# KiCad board ABG-K7072.kicad_pcb (continued)
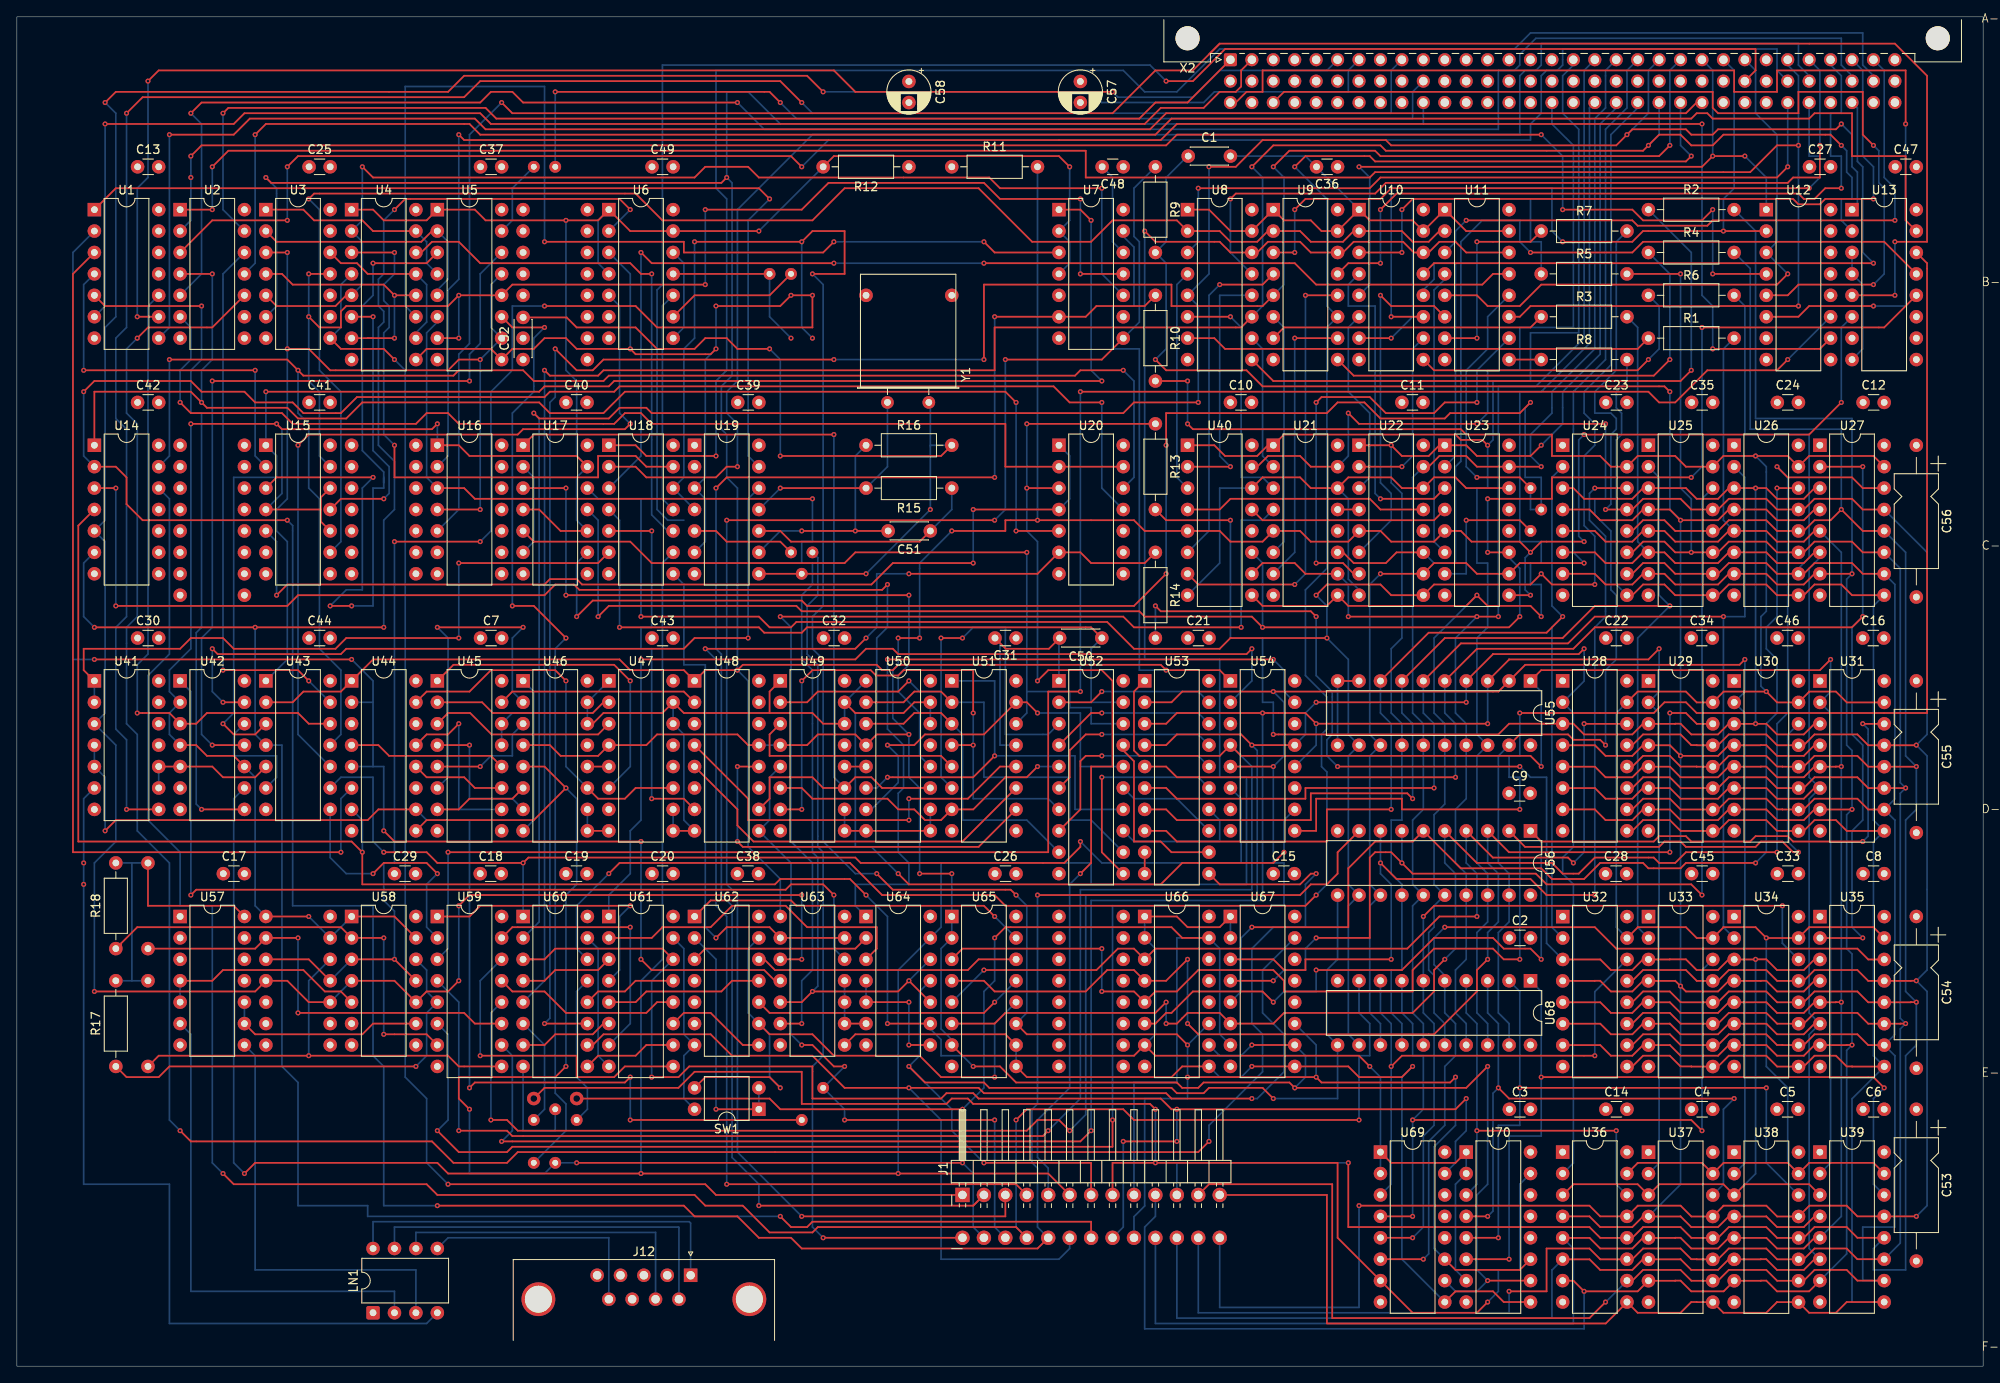
[diagram p0: board, top side]
## Routing (per net, layer and track width the routed paths; a pad name or vN(x,y) marks a point on that pad's centre or on a via; arc(x,y) is an arc through that point) (continued)
  Bottom w0.2: J1.a6 124.75,13.95 123.48,12.68 109.51,12.68 109.51,29.19 v1(105.71,33) ; v1(146.34,31.73) 146.98,31.73 150.16,34.91 150.16,39.35 147.62,41.89 147.62,46.97 U67.15
J1A7: length 298.7
  Top w0.2: J1.a7 127.29,17.12 94.28,17.12 93.64,16.49 91.73,16.49 v1(90.47,17.76) ; v1(9.19,87.61) v1(28.23,87.61) v1(43.47,87.61) ; v1(44.75,137.14) 46.02,138.41 71.41,138.41 v1(72.69,137.14)
  Bottom w0.2: v1(44.75,137.14) 43.47,135.87 43.47,129.52 42.84,128.88 42.84,125.71 43.47,125.08 43.47,123.8 42.84,123.17 42.84,109.2 44.75,107.3 44.75,101.58 43.47,100.31 v1(43.47,87.61) ; v1(9.19,87.61) 7.91,88.88 7.91,95.23 U14.6 ; v1(72.69,137.14) U6.2 ; v1(90.47,17.76) 41.57,17.76 41.57,19.03 33.31,19.03 33.31,33.63 31.41,35.54 31.41,73.64 U43.4 28.23,74.91 v1(28.23,87.61)
J1B1: length 179.3
  Top w0.2: J1.b1 82.84,20.3 81.58,21.57 v1(51.09,21.57) ; U3.8 38.39,120.63 43.47,120.63 v1(44.75,119.36)
  Bottom w0.2: v1(44.75,119.36) 46.02,118.09 46.02,34.27 48.55,31.73 48.55,24.11 v1(51.09,21.57) ; U3.8 38.39,123.17 38.39,128.25 U4.4
J1B2: length 188.9
  Top w0.2: 113.32,19.03 J1.b2 113.32,19.03 ; 113.32,19.03 v1(87.93,19.03) ; v1(82.84,104.12) 84.12,105.39 v1(115.87,105.39) ; R10.1 133.65,125.71 127.93,125.71 126.66,124.44 U7.6 v1(115.87,124.44)
  Bottom w0.2: v1(115.87,124.44) v1(115.87,105.39) ; v1(82.84,104.12) 82.84,85.07 83.48,84.44 83.48,55.86 84.75,54.59 84.75,24.75 87.93,21.57 v1(87.93,19.03)
J1B3: length 201.7
  Top w0.2: U7.8 128.56,119.36 v1(117.13,119.36) ; v1(84.12,100.31) v1(115.87,100.31) ; v1(93,17.76) 117.13,17.76 J1.b3
  Bottom w0.2: U7.8 133.01,123.8 133.01,133.33 132.38,133.97 132.38,139.68 R9.1 ; v1(117.13,119.36) 117.13,101.58 v1(115.87,100.31) ; v1(84.12,100.31) 84.12,57.13 85.38,55.86 85.38,25.38 v1(93,17.76)
J1B4: length 163.5
  Top w0.2: R14.1 133.65,95.23 127.29,95.23 126.03,96.5 U20.6 120.94,93.96 v1(105.71,93.96) ; v1(84.12,21.57) 118.41,21.57 J1.b4 ; v1(100.62,86.34) 99.35,85.07 v1(81.58,85.07)
  Bottom w0.2: v1(84.12,21.57) 84.12,53.32 82.84,54.59 82.84,83.8 v1(81.58,85.07) ; v1(105.71,93.96) 101.9,93.96 101.9,87.61 v1(100.62,86.34)
J1B5: length 126.7
  Top w0.2: v1(119.68,111.74) R13.1 ; v1(126.03,58.4) 127.29,59.67 127.29,71.1 129.84,71.1 129.84,81.26 128.56,82.53 122.22,82.53 v1(120.94,81.26) ; U20.3 v1(119.68,104.12)
  Bottom w0.2: v1(120.94,81.26) 120.94,97.77 119.68,99.04 v1(119.68,104.12) v1(119.68,111.74) ; v1(126.03,58.4) 124.75,57.13 124.75,33 120.94,29.19 120.94,24.75 122.22,23.47 J1.b5
J1B8: length 166.1
  Top w0.2: v1(174.28,7.6) 173.01,6.33 165.4,6.33 U69.7 156.5,15.22 156.5,24.11 v1(134.91,24.11) 129.84,24.11 J1.b8 ; v1(134.91,30.46) 134.28,31.09 113.32,31.09 112.69,31.73 110.78,31.73 110.15,31.09 93,31.09 93,34.91 80.3,34.91 78.4,33 62.53,33 v2(61.25,31.73)
  Bottom w0.2: U70.15 178.09,21.57 178.09,11.41 175.56,11.41 175.56,8.87 v1(174.28,7.6) ; v1(134.91,24.11) v1(134.91,30.46)
J1B9: length 147.7
  Top w0.2: U66.15 138.09,50.78 136.82,52.05 117.13,52.05 v1(115.87,50.78) ; v2(66.33,31.73) 89.19,31.73 90.47,30.46 v1(112.06,30.46)
  Bottom w0.2: v1(112.06,30.46) 114.59,33 114.59,44.43 115.87,45.7 v1(115.87,50.78) ; J1.b9 132.38,33.63 137.46,33.63 137.46,50.78 U66.15 142.53,49.51 142.53,39.35 U67.7
KGS-MEM: length 208.9
  Top w0.2: X2.c23 199.05,149.84 197.78,148.57 136.19,148.57 134.28,146.66 55.54,146.66 54.27,147.94 27.6,147.94 25.69,146.03 v1(18.07,146.03)
  Bottom w0.2: v1(18.07,146.03) 18.07,123.17 U1.8
LineCLK: length 83
  Top w0.2: v1(98.09,35.54) 96.81,35.54 94.28,38.08 v1(93,38.08) ; v1(98.09,29.19) v1(115.87,29.19)
  Bottom w0.2: v1(115.87,29.19) 115.87,16.49 J1.a3 ; U49.5 89.19,69.83 89.19,64.75 U48.9 91.73,59.67 91.73,39.35 v1(93,38.08) ; v1(98.09,35.54) J5.1 98.09,30.46 v1(98.09,29.19)
PALP: length 135.9
  Top w0.2: v1(43.47,60.94) 48.55,60.94 49.83,59.67 v1(59.98,59.67) 60.62,60.31 99.35,60.31 99.99,59.67 124.12,59.67 126.03,61.57 v1(126.03,62.21)
  Bottom w0.2: v1(59.98,59.67) U60.1 ; U43.9 38.39,69.83 42.2,69.83 42.2,62.21 v1(43.47,60.94) ; v1(126.03,62.21) 128.56,59.67 145.07,59.67 145.07,67.29 U54.6
RAS: length 323.8
  Top w0.2: v1(195.88,115.55) 195.24,116.19 147.62,116.19 145.71,118.09 136.19,118.09 v1(134.91,119.36) ; U24.4 186.35,101.58 187.62,100.31 191.43,100.31 192.7,101.58 U25.4 195.88,101.58 v1(197.15,100.31) 201.59,100.31 202.86,101.58 U26.4 207.31,101.58 208.57,100.31 211.75,100.31 213.02,101.58 U27.4 ; U39.4 213.02,17.76 211.75,16.49 208.57,16.49 207.31,17.76 207.29,17.75 U38.4 202.88,17.75 202.86,17.76 201.59,16.49 198.41,16.49 197.15,17.76 197.13,17.75 U37.4 192.72,17.75 192.7,17.76 191.43,16.49 187.62,16.49 186.35,17.76 U36.4 ; 183.19,73.62 187,73.62 188.25,72.37 191.43,72.37 192.7,73.64 192.72,73.62 U29.4 195.89,73.62 v1(197.15,72.37) 201.59,72.37 202.86,73.64 202.88,73.62 U30.4 206.66,73.62 206.67,73.64 207.31,73.64 208.57,72.37 211.75,72.37 213.02,73.64 213.03,73.62 U31.4 ; U35.4 213.03,45.69 213.02,45.7 211.75,44.43 208.57,44.43 207.31,45.7 206.67,45.7 206.66,45.69 U34.4 202.88,45.69 202.86,45.7 201.59,44.43 197.78,44.43 v1(197.15,45.06) 196.51,45.7 196.5,45.69 U33.4 192.72,45.69 192.7,45.7 191.43,44.43 188.89,44.43 187.62,45.7 186.98,45.7 186.97,45.69 U32.4
  Bottom w0.2: 138.72,143.49 136.19,140.95 136.19,133.33 R9.2 136.19,130.79 136.19,120.63 v1(134.91,119.36) ; v1(195.88,115.55) 195.88,101.58 v1(197.15,100.31) 197.15,21.54 U37.4
SYNCACCESS: length 203.5
  Top w0.2: U14.3 v1(11.73,104.12) ; v1(150.16,60.94) 148.88,59.67 138.09,59.67 135.55,57.13 105.71,57.13 v1(104.44,58.4) ; v1(11.73,90.15) 32.05,90.15 33.31,91.42 62.53,91.42 63.8,92.69 66.02,92.69 66.65,92.05 102.53,92.05 v1(103.16,92.69)
  Bottom w0.2: v1(104.44,58.4) 101.26,61.57 99.35,61.57 99.35,77.45 101.9,77.45 101.9,86.34 103.16,87.61 v1(103.16,92.69) ; U54.10 150.16,64.75 v1(150.16,60.94) ; v1(11.73,90.15) v1(11.73,104.12)
U4F4N: length 61.9
  Top w0.2: U4.14 47.92,132.06 49.19,133.33 52.36,133.33 54.91,130.79 72.69,130.79 73.95,129.52 v1(75.22,129.52)
  Bottom w0.2: U18.10 77.13,99.04 75.22,100.94 v1(75.22,129.52)
U5F3: length 115
  Top w0.2: v1(32.05,120.63) 34.58,120.63 37.12,118.09 51.09,118.09 52.36,119.36 v1(54.91,119.36) ; v1(54.91,101.58) U16.4 ; v1(32.05,132.06) U3.3
  Bottom w0.2: U43.1 32.05,83.8 32.05,97.77 30.78,99.04 30.78,101.58 32.05,102.85 v1(32.05,120.63) v1(32.05,132.06) ; v1(54.91,101.58) v1(54.91,119.36) U5.10 56.17,123.17 56.17,128.25 U5.13
U5F4N: length 95.3
  Top w0.2: v1(53.64,116.82) v1(23.16,116.82) ; U42.11 v1(23.16,73.64)
  Bottom w0.2: U5.14 54.91,129.52 54.91,121.27 53.64,119.99 v1(53.64,116.82) ; v1(23.16,116.82) 23.16,87.61 21.89,86.34 21.89,74.91 v1(23.16,73.64)
U15AD: length 44.2
  Top w0.2: v1(28.23,118.09) v1(7.91,118.09)
  Bottom w0.2: v1(28.23,118.09) 28.23,107.93 U15.2 ; U1.4 7.91,128.25 v1(7.91,118.09)
U44Q2N: length 112.1
  Top w0.2: U1.3 6.64,129.52 6.64,60.94 v1(38.39,60.94)
  Bottom w0.2: v1(38.39,60.94) 38.39,67.29 U44.6
U56CS: length 432.8
  Top w0.2: v1(49.83,19.03) 79.03,19.03 80.3,17.76 85.38,17.76 87.93,15.22 91.73,15.22 93,13.95 120.94,13.95 J1.a5 ; U56.9 156.5,60.93 156.5,58.4 155.23,57.13 153.33,57.13 152.06,55.86 v1(120.94,55.86) ; v1(128.56,114.28) 124.75,114.28 122.85,116.19 71.41,116.19 70.78,115.55 63.16,115.55 62.53,114.91 40.3,114.91 38.39,113.01 33.95,113.01 32.68,114.28 28.23,114.28 26.97,115.55 21.89,115.55 20.61,116.82 9.19,116.82 v1(7.91,115.55) ; v1(32.05,100.31) 14.9,100.31 12.99,102.22 12.99,105.39 11.73,106.66 U14.2
  Bottom w0.2: v1(32.05,100.31) 32.68,99.67 32.68,54.59 42.2,54.59 42.2,36.81 43.47,35.54 43.47,19.03 v1(49.83,19.03) ; v1(7.91,115.55) 7.91,107.93 U14.2 ; v1(120.94,55.86) 120.94,31.09 120.28,30.43 120.28,24.13 120.29,24.13 120.94,23.47 120.94,16.49 J1.a5 ; U20.11 128.56,104.12 v1(128.56,114.28)
U59DO2: length 55.4
  Top w0.2: 57.44,35.54 52.36,35.54 51.09,36.81 v1(34.58,36.81) 16.8,36.81 15.53,35.54
  Bottom w0.2: v1(34.58,36.81) 34.58,45.7 37.12,48.24
U59DO3: length 51.9
  Top w0.2: v1(33.31,50.78) 29.5,50.78 28.23,49.51 15.53,49.51 ; v1(33.31,41.89) 53,41.89 54.27,40.62 57.44,40.62
  Bottom w0.2: v1(33.31,50.78) v1(33.31,41.89)
U62Q3: length 22
  Top w0.2: 80.94,48.24 U62.3 81.58,49.51 99.35,49.51 U64.2
U62Q8: length 12.3
  Top w0.2: U62.8 86.02,38.08 82.21,41.89 79.03,41.89 U61.11
U62Q11: length 18.8
  Top w0.2: U61.5 73.32,43.16 74.59,44.43 83.48,44.43 84.75,45.7 U62.11
U63E4: length 175.1
  Top w0.2: v1(73.95,62.21) 44.75,62.21 v1(43.47,63.48) ; v1(73.95,48.24) 75.22,46.97 88.56,46.97 89.83,45.7 U63.4 ; v1(39.66,83.8) v1(9.19,83.8)
  Bottom w0.2: U44.2 42.2,78.72 ; 42.2,78.72 42.2,71.1 ; 42.2,78.72 42.2,81.26 v1(39.66,83.8) ; 42.2,71.1 43.47,71.1 v1(43.47,63.48) ; 42.2,71.1 U44.5 ; v1(73.95,48.24) v1(73.95,62.21) ; U1.2 6.64,132.06 6.64,83.8 v1(9.19,83.8)
U64E12: length 152.4
  Top w0.2: v1(94.28,102.85) 54.27,102.85 53,104.12 U16.3 ; U64.10 v1(105.71,45.7) 104.44,44.43 v1(94.28,44.43) 93,43.16 U63.5
  Bottom w0.2: v1(94.28,44.43) 94.91,45.06 94.91,60.31 94.28,60.94 94.28,82.53 93,83.8 93,91.42 94.28,92.69 94.28,95.23 93,95.23 93,97.77 94.28,97.77 v1(94.28,102.85) ; U64.12 v1(105.71,45.7) ; U5.6 49.83,123.8 48.55,122.53 48.55,105.39 U16.3
U69Q0: length 169.4
  Top w0.2: 61.08,48.24 U60.3 62.53,48.24 63.8,49.51 76.5,49.51 U61.14 ; v1(75.22,34.27) 78.4,34.27 79.67,35.54 94.28,35.54 94.28,31.73 109.51,31.73 110.15,32.37 113.32,32.37 113.96,31.73 135.55,31.73 136.82,30.46 v1(137.46,30.46) 170.47,30.46 v1(171.75,31.73) ; v1(137.46,26.65) v1(131.1,26.65)
  Bottom w0.2: J1.a8 131.1,16.49 v1(131.1,26.65) ; U69.15 170.47,24.11 170.47,26.65 171.75,27.92 v1(171.75,31.73) ; v1(137.46,30.46) v1(137.46,26.65) ; v1(75.22,34.27) 75.22,45.7 U61.14
WE0: length 170.6
  Top w0.2: U24.3 184.44,104.12 185.72,102.85 191.43,102.85 192.7,104.12 U25.3 197.78,104.12 199.05,102.85 201.59,102.85 202.86,104.12 U26.3 v1(206.03,104.12) 207.31,104.12 208.57,102.85 211.75,102.85 213.02,104.12 U27.3 ; U31.3 213.03,76.16 213.02,76.18 211.75,74.91 208.57,74.91 207.31,76.18 207.29,76.16 U30.3 202.88,76.16 202.86,76.18 201.59,74.91 198.41,74.91 197.15,76.18 196.51,76.18 196.5,76.16 U29.3 192.72,76.16 192.7,76.18 191.43,74.91 185.72,74.91 184.44,76.18 181.27,76.18 ; R13.2 136.19,100.31 v1(143.81,100.31) ; 181.27,76.18 180.63,76.18 ; 181.27,76.18 176.82,76.18 175.56,74.91 v1(148.88,74.91)
  Bottom w0.2: v1(143.81,100.31) 143.81,86.34 147.62,86.34 147.62,78.72 148.88,78.72 v1(148.88,74.91) ; v1(206.03,104.12) v1(206.03,76.18)
WE1: length 186.8
  Top w0.2: 183.19,20.28 184.47,21.57 192.06,21.57 U37.3 194.63,21.57 202.22,21.57 U38.3 204.79,21.57 212.39,21.57 U39.3 ; U35.3 213.03,48.22 213.02,48.24 211.75,46.97 208.57,46.97 207.31,48.24 v1(206.03,48.24) 206.02,48.22 U34.3 203.49,48.24 202.86,48.24 201.59,46.97 199.05,46.97 197.78,48.24 195.88,48.24 195.86,48.22 U33.3 192.72,48.22 192.7,48.24 191.43,46.97 188.89,46.97 187.63,48.22 U32.3 ; v1(134.91,90.15) 135.55,89.52 153.33,89.52 v1(153.97,88.88) ; v1(178.09,71.1) v1(156.5,71.1)
  Bottom w0.2: v1(156.5,71.1) 155.23,72.37 155.23,74.27 155.87,74.91 155.87,79.99 153.97,81.89 v1(153.97,88.88) ; v1(178.09,71.1) 179.37,69.83 181.27,69.83 181.27,50.14 U32.3 ; v1(206.03,48.24) 206.03,22.81 U38.3 ; R14.2 v1(134.91,90.15)
X2B10: length 116.8
  Top w0.2: v1(63.8,151.11) 89.19,151.11 v1(90.47,149.84)
  Bottom w0.2: v1(90.47,149.84) 92.37,147.94 165.4,147.94 165.4,151.11 X2.b10 ; v1(63.8,151.11) J14.1
X2B25: length 192.9
  Top w0.2: v1(136.19,152.38) 139.36,152.38 143.17,156.19 206.03,156.19 206.03,153.65 X2.b25
  Bottom w0.2: v1(136.19,152.38) 134.28,154.28 76.5,154.28 76.5,128.25 75.86,127.61 75.86,101.58 77.13,100.31 79.03,100.31
Net-(C50-Pad1): length 84.7
  Top w0.2: C50.1 127.29,87.61 93.64,87.61 93,86.97 88.56,86.97 87.93,87.61 v1(71.41,87.61)
  Bottom w0.2: v1(71.41,87.61) 71.41,100.31 U18.4 ; U52.19 127.29,78.72 127.29,85.07 C50.1
Net-(C51-Pad1): length 27.5
  Top w0.2: C51.1 106.97,97.77 91.73,97.77 90.47,99.04 U19.10
  Bottom w0.2: C51.1 110.78,101.58 R15.1
Net-(C51-Pad2): length 27.1
  Top w0.2: C51.2 v1(99.35,99.04) v1(93,99.04)
  Bottom w0.2: U19.9 90.47,99.04 v1(93,99.04) ; v1(99.35,99.04) 99.35,107.93 R16.1
Net-(J1-Pin_b7): length 120.9
  Top w0.2: v1(148.88,31.73) 147.62,33 141.26,33 140.63,32.37 137.46,32.37 136.82,33 115.23,33 114.59,33.63 107.61,33.63 v1(105.71,35.54) ; v1(114.59,24.11) 127.29,24.11 J1.b7
  Bottom w0.2: U64.11 106.97,44.43 106.97,36.81 v1(105.71,35.54) 110.78,30.46 110.78,27.92 v1(114.59,24.11) ; U56.11 156.5,48.24 155.23,46.97 155.23,39.35 U68.11 156.5,31.73 v1(148.88,31.73)
Net-(J2-Pin_1): length 18.1
  Bottom w0.2: U60.13 66.33,44.43 66.33,34.27 67.61,33 67.61,30.46 J2.1
Net-(J3-Pin_1): length 113
  Top w0.2: U5.11 58.72,123.17 v1(62.53,123.17) ; v1(65.06,86.34) 61.25,90.15 v1(58.72,90.15)
  Bottom w0.2: v1(62.53,123.17) 61.25,121.9 61.25,115.55 58.72,113.01 v1(58.72,90.15) ; J3.1 65.06,27.92 65.06,31.09 63.8,32.37 63.8,85.07 v1(65.06,86.34)
Net-(J6-Pin_1): length 132.2
  Top w0.2: v1(10.45,63.48) 11.73,64.75 41.57,64.75 42.84,66.02 U44.10 ; v1(72.69,34.27) 72.05,33.63 54.27,33.63 v1(53.64,33) ; J6.1 v1(72.69,29.19)
  Bottom w0.2: v1(53.64,33) 53.64,64.75 48.55,64.75 U44.10 ; v1(10.45,63.48) 10.45,69.83 U41.5 U41.4 ; v1(72.69,29.19) v1(72.69,34.27)
Net-(J7-Pin_1): length 104.6
  Top w0.2: v1(90.47,107.93) 109.51,107.93 R16.2 ; 60.06,124.36 65.14,124.36 66.33,123.17 73.32,123.17 75.86,120.63 80.3,120.63 81.58,121.9 84.12,121.9 85.38,120.63 v1(89.19,120.63) ; v1(100.62,93.96) U19.8
  Bottom w0.2: 108.25,109.2 v1(108.25,101.58) v1(100.62,93.96) ; 108.25,109.2 108.25,114.1 Y1.1 ; 108.25,109.2 R16.2 ; v1(90.47,107.93) 90.47,119.36 v1(89.19,120.63)
Net-(J11-Pin_1): length 13
  Bottom w0.2: U60.6 62.53,38.08 62.53,30.46 J11.1
Net-(J12-Pad1): length 47.1
  Bottom w0.2: LN1.8 42.2,17.12 79.67,17.12 79.84,16.95 J12.1
Net-(J12-Pad6): length 44.8
  Bottom w0.2: LN1.7 44.75,16.49 78.4,16.49 78.45,16.44 J12.6
Net-(J12-Pad7): length 38.2
  Bottom w0.2: J12.7 75.69,15.85 47.28,15.85 LN1.6
Net-(J12-Pad9): length 28.1
  Bottom w0.2: J12.9 70.14,15.22 51.09,15.22 LN1.5
Net-(J13-Pin_1): length 9.2
  Bottom w0.2: U5.15 58.72,135.87 58.72,139.68 J13.1
Net-(LN1-Pad2): length 58.9
  Bottom w0.2: U57.6 20.61,39.35 20.61,8.87 44.75,8.87 LN1.2
Net-(LN1-Pad3): length 51.3
  Bottom w0.2: U57.8 28.23,36.81 28.23,11.41 47.28,11.41 LN1.3
Net-(LN1-Pad4): length 106.5
  Bottom w0.2: LN1.4 48.55,5.06 18.07,5.06 18.07,21.57 7.91,21.57 v1(7.91,57.13) v1(7.91,59.67) 7.91,67.29 U41.6
Net-(R15-Pad2): length 25
  Top w0.2: R15.2 v1(90.47,104.12)
  Bottom w0.2: R15.2 103.16,106.66 Y1.2 ; v1(90.47,104.12) U19.11
Net-(SW1-Pad1): length 29
  Top w0.2: SW1.1 v1(82.84,30.46)
  Bottom w0.2: U62.2 82.84,48.24 v1(82.84,30.46) ; SW1.2 SW1.1
Net-(TP4-Pad1): length 16.1
  Top w0.2: U6.9 80.3,126.98 89.19,126.98 TP4.1
Net-(TP5-Pad1): length 20.1
  Top w0.2: U6.11 TP5.1
  Bottom w0.2: v1(91.73,121.9) 89.19,124.44 TP5.1
Net-(U1-Pad1): length 114.9
  Top w0.2: U1.1 11.73,139.68 87.93,139.68 v1(89.19,138.41)
  Bottom w0.2: U19.13 86.66,107.93 86.66,135.87 v1(89.19,138.41)
Net-(U1-Pad5): length 80.3
  Top w0.2: U42.8 v1(21.89,66.02) ; U1.5 10.45,125.71 v1(21.89,125.71)
  Bottom w0.2: v1(21.89,66.02) 21.25,66.66 21.25,86.97 21.89,87.61 21.89,113.01 20.61,113.01 20.61,118.09 21.89,119.36 v1(21.89,125.71)
Net-(U1-Pad10): length 75
  Top w0.2: U43.12 34.58,76.18 33.31,77.45 22.52,77.45 21.25,76.18 U42.3 18.07,77.45 v1(14.27,77.45)
  Bottom w0.2: v1(14.27,77.45) 14.27,83.16 15.53,84.44 15.53,125.71 U1.10
Net-(U2-Pad6): length 131.2
  Top w0.2: v1(19.34,114.28) 20.61,113.01 31.41,113.01 32.68,111.74 47.28,111.74 48.55,113.01 51.09,113.01 52.36,111.74 70.78,111.74 72.05,113.01 73.95,113.01 75.22,111.74 117.13,111.74 117.13,106.66 U20.2 U20.13
  Bottom w0.2: U2.6 20.61,123.17 20.61,119.36 19.34,118.09 v1(19.34,114.28)
Net-(U2-Pad12): length 64.9
  Top w0.2: v1(24.42,82.53) 33.31,82.53 v1(34.58,81.26)
  Bottom w0.2: v1(34.58,81.26) U43.13 ; U2.12 24.42,129.52 v1(24.42,82.53)
Net-(U4-D2): length 131.5
  Top w0.2: v1(40.94,142.22) 42.2,140.95 80.3,140.95 81.58,142.22 86.66,142.22 87.93,140.95 115.23,140.95 116.5,139.68 v1(128.56,139.68) ; U3.5 30.78,125.71 37.76,125.71 39.03,126.98 U4.5
  Bottom w0.2: v1(128.56,139.68) 128.56,129.52 U7.10 ; U4.5 40.94,128.25 40.94,133.33 U4.2 40.94,135.87 v1(40.94,142.22)
Net-(U4-D3): length 29.6
  Top w0.2: 41.57,121.9 U4.7 ; 41.57,121.9 v1(44.75,121.9) ; 41.57,121.9 42.2,121.9 ; U4.12 v1(44.75,126.98) 43.47,128.25 32.68,128.25 31.41,129.52 U3.4
  Bottom w0.2: v1(44.75,121.9) v1(44.75,126.98)
Net-(U4-D4): length 19.9
  Top w0.2: U3.12 38.39,130.79 40.3,130.79 41.57,129.52 U4.13
  Bottom w0.2: U4.10 47.28,122.53 48.55,123.8 48.55,128.25 U4.13
Net-(U4-F3-Pad11): length 126
  Top w0.2: v1(114.59,133.33) 115.87,132.06 U7.3 ; v1(62.53,133.33) 79.03,133.33 79.03,132.06 95.54,132.06 v1(96.81,133.33)
  Bottom w0.2: v1(62.53,133.33) 62.53,151.75 46.02,151.75 46.02,125.71 U4.11 ; v1(114.59,133.33) v1(96.81,133.33)
Net-(U5-D1): length 25
  Top w0.2: U4.15 42.2,134.6 40.94,135.87 35.22,135.87 33.95,137.14 U3.1
  Bottom w0.2: U4.15 48.55,133.33 48.55,130.79 U5.4
Net-(U5-D2): length 30
  Top w0.2: U3.2 30.78,133.33 47.92,133.33 49.19,134.6 U5.2
  Bottom w0.2: U5.2 51.09,133.33 51.09,128.88 49.83,127.61 U5.5
Net-(U5-D3): length 154.2
  Top w0.2: v1(81.58,137.14) 93,137.14 96.18,140.31 114.59,140.31 116.5,138.41 v1(126.03,138.41) ; v1(34.58,124.44) 35.86,123.17 38.39,123.17 38.39,125.08 39.03,125.71 51.09,125.71 v1(52.36,126.98) U5.12 58.72,128.25 v1(81.58,128.25) ; v1(34.58,129.52) U3.11 ; U7.11 v1(126.03,129.52) ; U5.7 v1(52.36,121.9)
  Bottom w0.2: v1(81.58,137.14) v1(81.58,128.25) ; v1(52.36,121.9) v1(52.36,126.98) ; v1(126.03,129.52) v1(126.03,138.41) ; U15.13 35.86,107.93 35.86,115.55 34.58,116.82 v1(34.58,124.44) v1(34.58,129.52)
Net-(U6-Pad12): length 11.2
  Bottom w0.2: U6.12 79.03,130.79 79.03,123.17 U6.8
Net-(U8-1Y): length 55.7
  Top w0.2: R1.1 192.06,120.63 143.17,120.63 141.9,121.9 U8.7
Net-(U8-2C0): length 16.3
  Bottom w0.2: U21.2 147.62,107.93 147.62,120.63 U8.10
Net-(U8-2C2): length 29.7
  Top w0.2: v1(143.81,106.66) U40.2
  Bottom w0.2: U8.12 142.53,126.98 142.53,107.93 v1(143.81,106.66)
Net-(U8-2Y): length 74.8
  Top w0.2: U8.9 148.88,116.82 197.15,116.82 v1(198.41,118.09)
  Bottom w0.2: v1(198.41,118.09) 198.41,132.06 R2.1
Net-(U9-1Y): length 32.8
  Top w0.2: R3.1 179.37,123.17 150.16,123.17 U9.7
Net-(U9-2Y): length 54.7
  Top w0.2: U9.9 158.41,117.45 193.97,117.45 v1(195.88,119.36)
  Bottom w0.2: v1(195.88,119.36) 195.88,129.52 R4.1
Net-(U10-1C0): length 22.4
  Bottom w0.2: U22.3 160.31,105.39 160.31,113.01 157.78,115.55 157.78,123.17 U10.6
Net-(U10-1C2): length 38.8
  Top w0.2: v1(161.59,102.85) 167.94,102.85 U23.3
  Bottom w0.2: U10.4 157.78,128.25 157.78,125.71 160.95,125.71 160.95,103.48 v1(161.59,102.85)
Net-(U10-1Y): length 45.5
  Top w0.2: v1(162.85,121.9) U10.7
  Bottom w0.2: R5.1 180.63,133.33 179.37,133.33 179.37,138.41 165.4,138.41 165.4,124.44 v1(162.85,121.9)
Net-(U10-2C0): length 21.4
  Top w0.2: v1(164.12,106.66) U22.2
  Bottom w0.2: U10.10 165.4,120.63 165.4,107.93 v1(164.12,106.66)
Net-(U10-2C2): length 31.5
  Bottom w0.2: U23.2 170.47,107.93 170.47,130.79 167.94,130.79 167.94,128.88 166.66,127.61 U10.12
Net-(U10-2Y): length 36.4
  Top w0.2: v1(193.34,119.36) 192.06,118.09 167.94,118.09 U10.9
  Bottom w0.2: v1(193.34,119.36) 194.6,120.63 194.6,125.71 R6.1
Net-(U11-1C0): length 41.3
  Top w0.2: v1(161.59,126.98) 162.85,125.71 167.94,125.71 U11.6
  Bottom w0.2: v1(161.59,126.98) 161.59,104.75 162.85,103.48 162.85,100.31 U22.6
Net-(U11-1C2): length 34.1
  Bottom w0.2: U23.6 167.94,97.77 167.94,127.61 169.21,128.88 U11.4
Net-(U11-1Y): length 23.4
  Top w0.2: U11.7 v1(173.01,121.9) ; v1(173.01,133.33) 179.37,133.33 R7.1
  Bottom w0.2: v1(173.01,121.9) v1(173.01,133.33)
Net-(U11-2C0): length 54.5
  Top w0.2: U22.7 158.41,93.96 157.14,95.23 v1(153.97,95.23) ; v1(173.01,114.28) 169.21,114.28 167.94,113.01 162.22,113.01 160.31,114.91 154.6,114.91 v1(153.97,114.28)
  Bottom w0.2: U11.10 173.01,118.09 v1(173.01,114.28) ; v1(153.97,95.23) v1(153.97,114.28)
Net-(U11-2C2): length 194.7
  Top w0.2: v1(179.37,114.28) 178.09,113.01 169.84,113.01 169.21,112.38 161.59,112.38 159.68,114.28 156.5,114.28 155.23,113.01 136.19,113.01 v1(136.19,109.2) ; TP3.1 178.09,105.39 v1(173.01,105.39) ; v1(66.33,88.88) 68.24,90.78 93,90.78 93.64,90.15 132.38,90.15 v1(136.19,93.96)
  Bottom w0.2: U17.9 66.33,95.23 v1(66.33,88.88) ; v1(136.19,109.2) v1(136.19,93.96) ; U11.12 174.28,124.44 174.28,120.63 171.75,118.09 171.75,106.66 v1(173.01,105.39) ; v1(179.37,114.28) 178.73,113.64 178.73,105.39 180.63,105.39 TP1.1 179.37,101.58 TP3.1
Net-(U11-2C3): length 134.5
  Top w0.2: v1(114.59,130.79) 151.43,130.79 153.97,128.25 173.65,128.25 174.92,129.52 U11.13 ; v1(96.81,130.79) 75.22,130.79 v1(73.95,132.06)
  Bottom w0.2: v1(73.95,132.06) 73.95,107.93 U18.3 ; v1(114.59,130.79) v1(96.81,130.79)
Net-(U11-2Y): length 3.8
  Top w0.2: U11.9 R8.1
Net-(U12-E1): length 213.2
  Top w0.2: v1(180.63,146.03) 137.46,146.03 136.19,144.76 21.89,144.76 v1(20.61,143.49) ; v1(183.18,137.14) 191.43,137.14 192.7,135.87 199.69,135.87 v1(200.96,137.14) ; U12.4 v1(200.96,129.52)
  Bottom w0.2: v1(183.18,137.14) 183.18,143.49 v1(180.63,146.03) ; U2.2 20.61,135.87 v1(20.61,140.95) v1(20.61,143.49) ; v1(200.96,129.52) v1(200.96,137.14)
Net-(U12-O5): length 230.5
  Top w0.2: v1(52.36,146.03) 53,145.39 135.55,145.39 137.46,147.3 v1(199.69,147.3) ; U12.10 213.66,120.63 v1(200.96,120.63)
  Bottom w0.2: v1(200.96,120.63) 200.96,125.71 199.69,126.98 v1(199.69,147.3) ; v1(52.36,146.03) 52.36,128.88 51.09,127.61 51.09,107.93 U16.2
Net-(U13-E2): length 265.1
  Top w0.2: 142.53,156.82 141.26,155.56 ; 142.53,156.82 222.54,156.82 226.35,153.01 226.35,133.33 v1(222.54,133.33) ; 142.53,156.82 139.36,153.65 134.91,153.65 129.84,148.57 58.72,148.57 v1(57.44,149.84) ; U13.5 v1(222.54,126.98)
  Bottom w0.2: v1(222.54,126.98) v1(222.54,133.33) ; U16.5 52.36,101.58 52.36,119.99 53.64,121.27 53.64,146.03 v1(57.44,149.84)
Net-(U14-Pad1): length 159.7
  Top w0.2: v1(23.16,129.52) U2.4 ; U20.5 v1(118.41,99.04) ; U14.1 9.19,115.55 20.61,115.55 v1(21.89,114.28) 22.52,113.64 32.05,113.64 33.31,112.38 39.03,112.38 40.94,114.28 61.89,114.28 63.16,113.01 69.51,113.01 72.05,115.55 117.13,115.55 v1(118.41,114.28)
  Bottom w0.2: v1(21.89,114.28) 21.89,118.09 23.16,119.36 v1(23.16,129.52) ; v1(118.41,99.04) v1(118.41,114.28)
Net-(U14-Pad13): length 190.5
  Top w0.2: v1(131.1,118.09) 126.03,118.09 125.39,117.45 70.14,117.45 69.51,116.82 61.25,116.82 59.98,118.09 52.36,118.09 51.73,117.45 33.95,117.45 v1(33.31,118.09) 32.05,119.36 v1(18.07,119.36)
  Bottom w0.2: U14.13 18.07,107.93 v1(18.07,119.36) ; v1(131.1,118.09) 132.38,116.82 132.38,105.39 U20.12 ; U43.11 38.39,74.91 38.39,82.53 35.86,85.07 35.86,102.85 34.58,104.12 34.58,111.74 33.31,113.01 v1(33.31,118.09)
Net-(U15-Pad1): length 175.1
  Top w0.2: v1(127.29,135.87) 126.03,137.14 U7.1 ; U43.3 28.23,74.91 25.69,74.91 v1(24.42,76.18) ; v1(128.56,116.82) 70.78,116.82 70.14,116.19 62.53,116.19 61.89,115.55 v1(29.5,115.55)
  Bottom w0.2: v1(29.5,115.55) U15.1 30.78,107.93 30.78,105.39 25.69,105.39 25.69,77.45 v1(24.42,76.18) ; v1(127.29,135.87) 127.29,118.09 v1(128.56,116.82)
Net-(U15-Pad3): length 89.7
  Top w0.2: U5.3 48.55,130.79 v1(42.2,130.79) ; U15.3 30.78,105.39 v1(42.2,105.39) ; v1(37.12,90.15) v1(39.66,90.15)
  Bottom w0.2: v1(42.2,105.39) 40.94,104.12 40.94,92.05 39.03,92.05 v1(37.12,90.15) ; v1(42.2,130.79) 42.2,126.98 40.94,125.71 40.94,108.56 43.47,106.02 43.47,104.75 43.47,105.39 43.47,104.12 42.2,104.12 42.2,90.15 v1(39.66,90.15)
Net-(U15-Pad5): length 118
  Top w0.2: U20.4 v1(113.32,101.58) ; v1(113.32,95.23) 103.8,95.23 101.26,92.69 66.97,92.69 66.33,93.33 63.16,93.33 62.53,92.69 32.05,92.69 v1(30.78,91.42)
  Bottom w0.2: U20.1 124.75,107.93 124.75,102.85 U20.4 ; v1(113.32,101.58) v1(113.32,95.23) ; v1(30.78,91.42) 30.78,97.77 U15.5
Net-(U15-Pad11): length 32.1
  Top w0.2: U15.11 38.39,102.85 v1(43.47,102.85) ; v1(42.2,124.44) U4.6
  Bottom w0.2: v1(42.2,124.44) 42.2,108.56 44.11,106.66 44.11,103.48 v1(43.47,102.85)
Net-(U17-Pad2): length 11.2
  Bottom w0.2: U17.6 61.25,97.77 61.25,105.39 U17.2
Net-(U18-Pad5): length 45
  Top w0.2: v1(75.22,67.29) 79.03,67.29 U48.7 ; v1(75.22,99.04) U18.5
  Bottom w0.2: v1(75.22,67.29) 75.22,85.07 73.95,85.07 73.95,87.61 75.22,87.61 v1(75.22,99.04)
Net-(U18-Pad6): length 80.1
  Top w0.2: U18.6 68.88,95.23 v1(52.36,95.23) ; v1(52.36,86.34) 39.03,86.34 37.76,85.07 25.69,85.07 24.42,86.34 20.61,86.34 19.34,85.07 7.91,85.07 7.91,82.53 U41.1
  Bottom w0.2: v1(52.36,86.34) v1(52.36,95.23) ; U41.1 U41.2
Net-(U18-Pad8): length 63.1
  Top w0.2: v1(82.84,50.78) 84.12,52.05 89.19,52.05 U63.2 U63.13
  Bottom w0.2: U18.8 79.03,92.69 79.03,83.16 81.58,83.16 81.58,52.05 v1(82.84,50.78)
Net-(U18-Pad11): length 26.5
  Bottom w0.2: U6.10 76.5,125.71 76.5,102.85 U18.11
Net-(U18-Pad13): length 69.4
  Top w0.2: v1(44.75,109.2) 44.75,105.39 68.88,105.39 68.88,107.93 73.32,107.93 74.59,106.66 U18.13 ; v1(44.75,132.06) U4.3
  Bottom w0.2: v1(44.75,132.06) 44.75,129.52 43.47,128.25 43.47,126.34 44.11,125.71 44.11,123.17 43.47,122.53 43.47,110.47 v1(44.75,109.2)
